# Altium PCB STB_LightBoard.PcbDoc (part 31 of 31)
Units mm, origin at the board's own origin, x right, y up, seen from the top; angles counter-clockwise.
Board outline 348 x 348 mm, 2 copper layers (Top Layer, Bottom Layer), stack 1.672 mm thick; 3807 components, 3391 nets, 11616 pads, 2553 vias.
Unrouted connection lines stored in the file: 68.
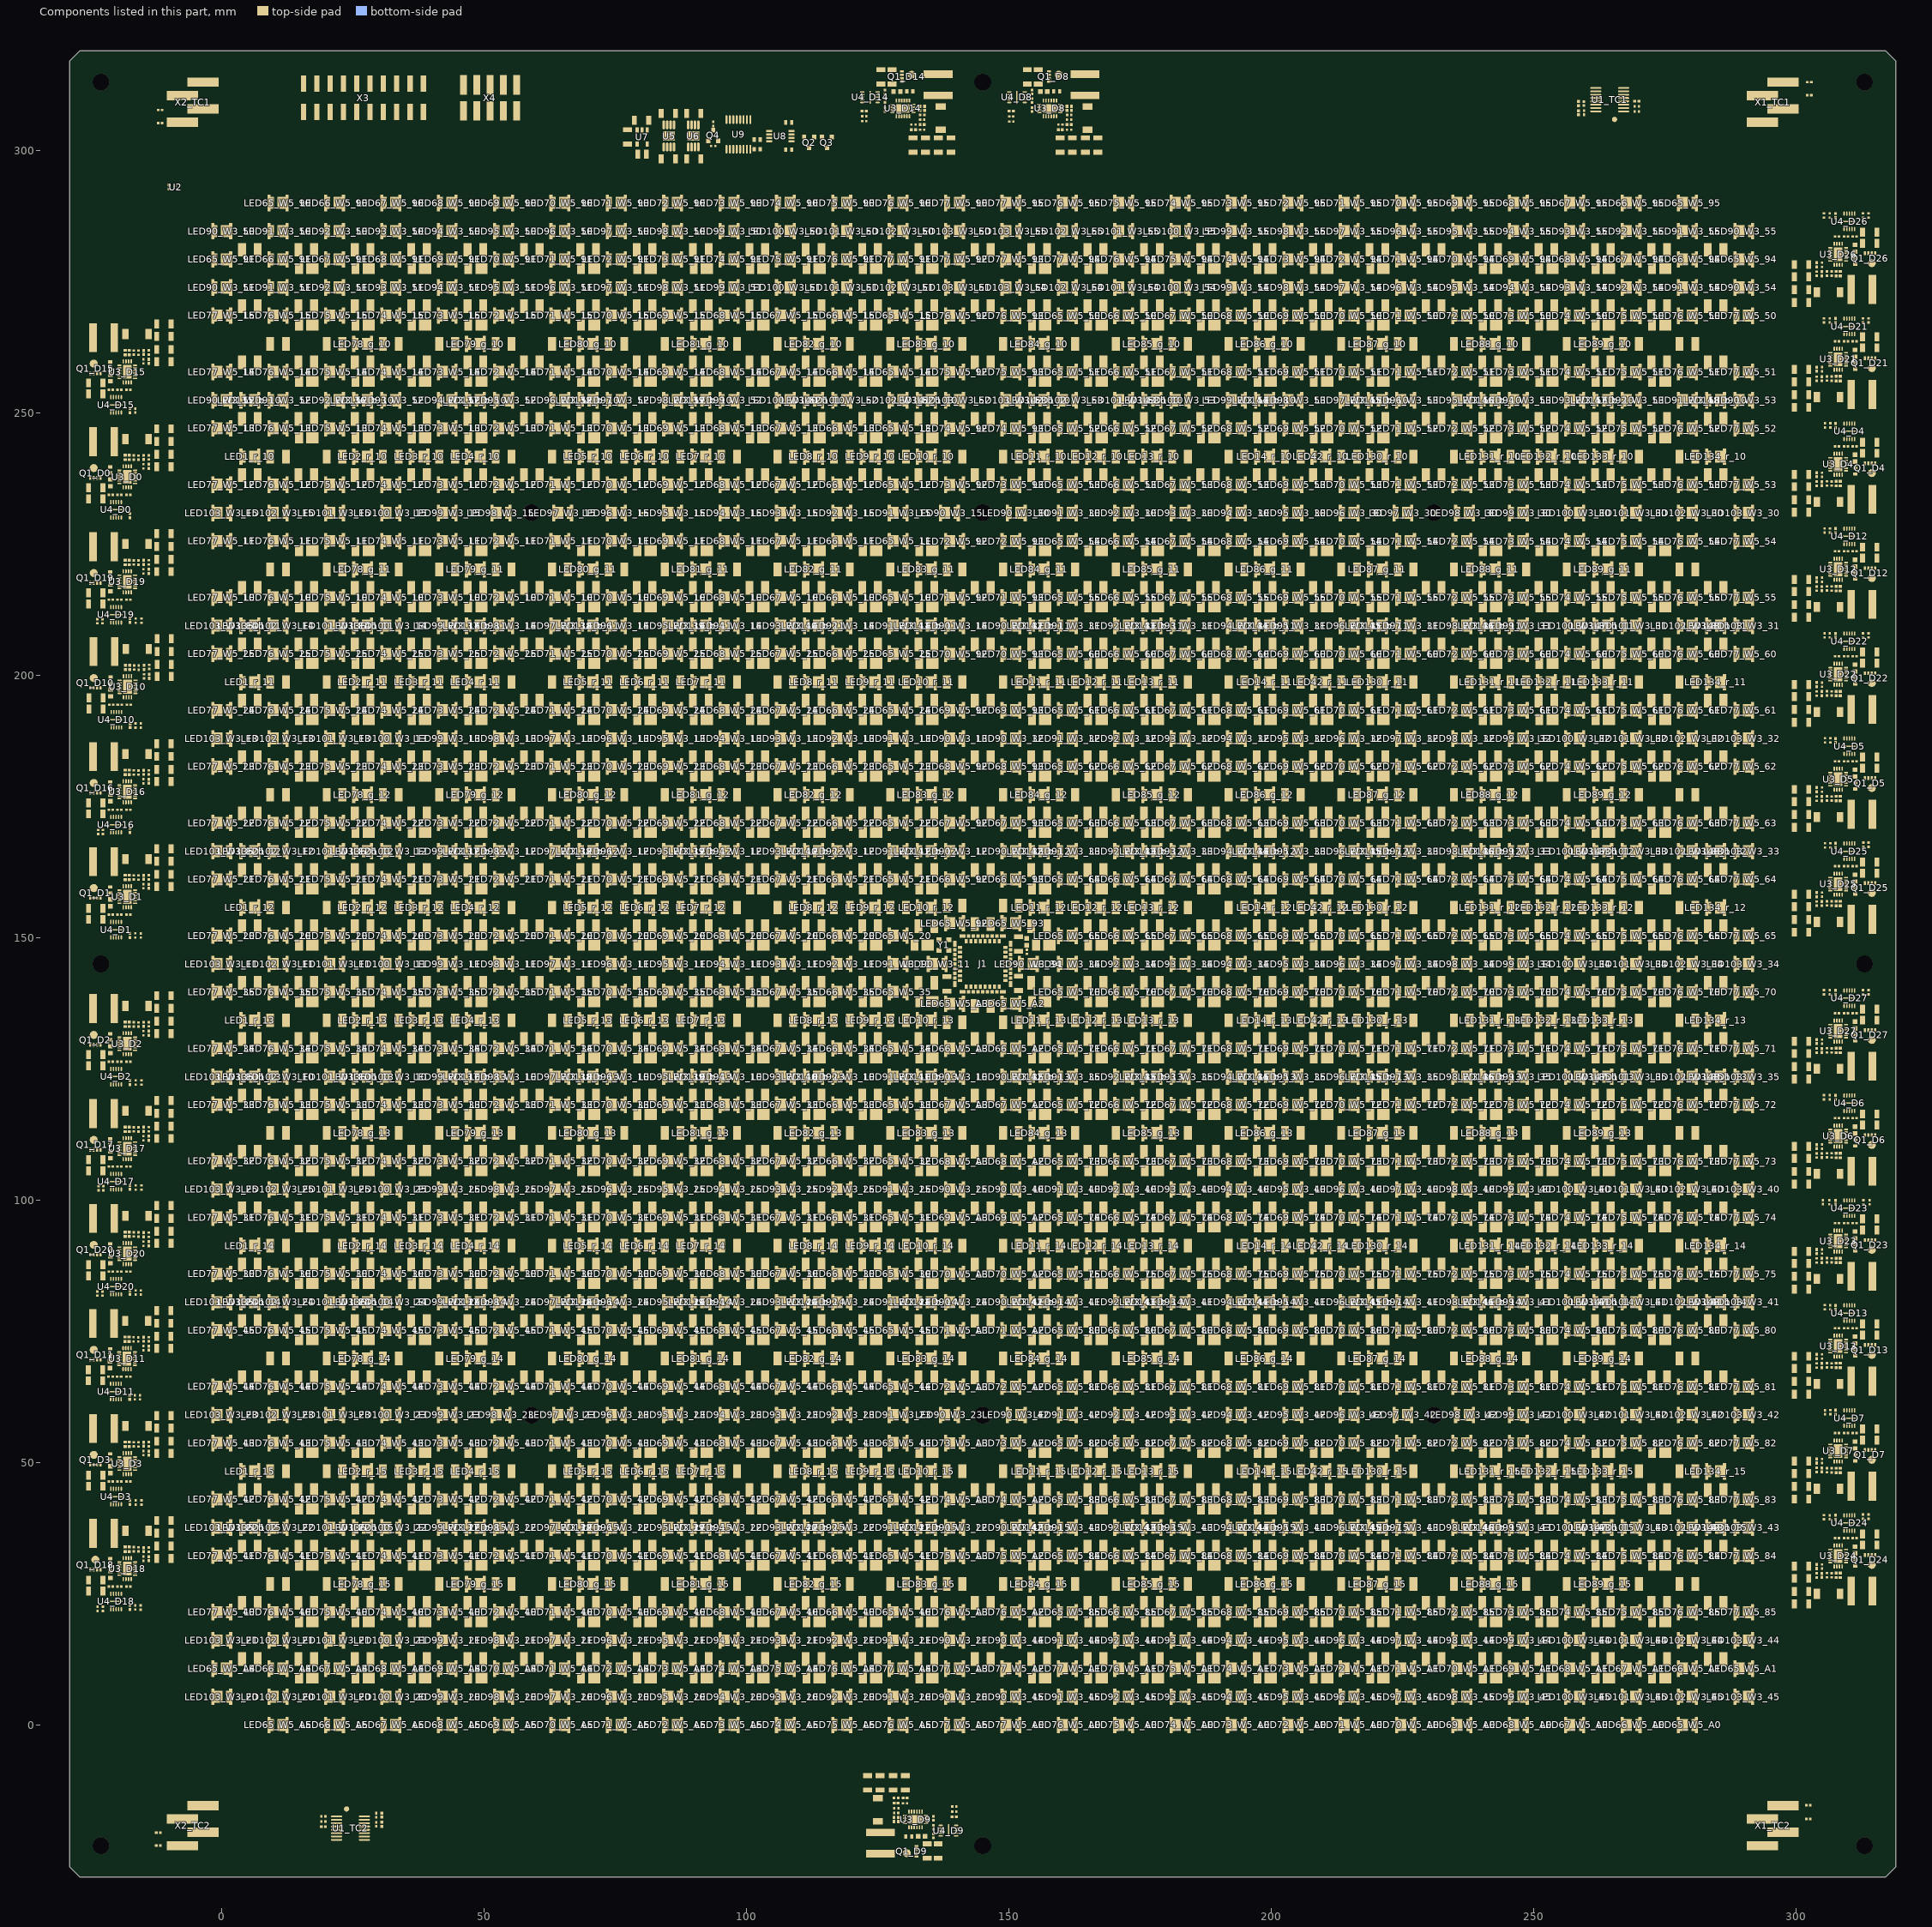
[diagram p31: the components of this part, seen from the top]

## Silkscreen, mask and mechanical layers (free items; w line width, h text height) (continued)
Mechanical 6:
  circle w0.254: c59,231 r4
  circle w0.254: c145,59 r4.009
  circle w0.254: c145,231 r4.009
  circle w0.254: c145,-23 r4
  circle w0.254: c145,313 r4
  circle w0.254: c313,313 r4
  circle w0.254: c313,-23 r4
  circle w0.254: c313,145 r4
  circle w0.254: c231,59 r4
  circle w0.254: c231,231 r4
  circle w0.254: c59,59 r4
  circle w0.254: c145,-23 r4
  circle w0.254: c-23,145 r4
  circle w0.254: c145,313 r4
  circle w0.254: c-23,313 r4
  circle w0.254: c-23,-23 r4
  rectangle: 139.27,139.27 150.73,150.73
  region: 141,-27 141,-8 121,-8 121,-27
  region: 149.7,316.2 149.7,297.2 169.7,297.2 169.7,316.2
  region: 121,317 121,298 141,298 141,317
  region: 317,289 298,289 298,269 317,269
  region: 317,269 298,269 298,249 317,249
  region: 317,249 298,249 298,229 317,229
  region: 317,229 298,229 298,209 317,209
  region: 317,209 298,209 298,189 317,189
  region: 317,189 298,189 298,169 317,169
  region: 317,169 298,169 298,149 317,149
  region: 317,41 298,41 298,21 317,21
  region: 317,61 298,61 298,41 317,41
  region: 317,81 298,81 298,61 317,61
  region: 317,101 298,101 298,81 317,81
  region: 317,121 298,121 298,101 317,101
  region: 317,141 298,141 298,121 317,121
  rectangle: -27,149 -8,169
  rectangle: -27,169 -8,189
  rectangle: -27,189 -8,209
  rectangle: -27,209 -8,229
  rectangle: -27,229 -8,249
  rectangle: -27,249 -8,269
  rectangle: -27,121 -8,141
  rectangle: -26.768,101 -7.768,121
  rectangle: -27,81 -8,101
  rectangle: -26.583,60.429 -7.583,80.429
  rectangle: -27,41 -8,61
  rectangle: -27,21 -8,41
  lines w0.2: -22.7,268.435 -22.7,272.245
  lines w0.254: 2,-21 ccw(c7,-21) 12,-21 12,-17 ccw(c7,-17) 2,-17 2,-21 ; 2,307 ccw(c7,307) 12,307 12,311 ccw(c7,311) 2,311 2,307 ; 278,-21 ccw(c283,-21) 288,-21 288,-17 ccw(c283,-17) 278,-17 278,-21 ; 278,307 ccw(c283,307) 288,307 288,311 ccw(c283,311) 278,311 278,307
  lines w0.5: -27,145 317,145 ; 0,290 0,0 290,0 290,290 ; -27,-27 317,-27 317,317 -27,317 -27,-27

## Dimensions
-29,317 to 319,-27 on Mechanical 6
317,317 to -27,317 on Mechanical 6

## Text inside footprints (layer, text, board x,y; h text height)
LED1_r_10: Mechanical 1 "K" at 7.275,243.936 h0.51 r180; Mechanical 1 "A" at 3.846,243.936 h0.51 r180
LED1_r_11: Mechanical 1 "K" at 7.275,200.976 h0.51 r180; Mechanical 1 "A" at 3.846,200.976 h0.51 r180
LED1_r_12: Mechanical 1 "K" at 7.275,158.016 h0.51 r180; Mechanical 1 "A" at 3.846,158.016 h0.51 r180
LED1_r_13: Mechanical 1 "K" at 7.275,136.536 h0.51 r180; Mechanical 1 "A" at 3.846,136.536 h0.51 r180
LED1_r_14: Mechanical 1 "K" at 7.275,93.576 h0.51 r180; Mechanical 1 "A" at 3.846,93.576 h0.51 r180
LED1_r_15: Mechanical 1 "K" at 7.275,50.616 h0.51 r180; Mechanical 1 "A" at 3.846,50.616 h0.51 r180
LED2_r_10: Mechanical 1 "K" at 28.757,243.936 h0.51 r180; Mechanical 1 "A" at 25.328,243.936 h0.51 r180
LED2_r_11: Mechanical 1 "K" at 28.757,200.976 h0.51 r180; Mechanical 1 "A" at 25.328,200.976 h0.51 r180
LED2_r_12: Mechanical 1 "K" at 28.757,158.016 h0.51 r180; Mechanical 1 "A" at 25.328,158.016 h0.51 r180
LED2_r_13: Mechanical 1 "K" at 28.757,136.536 h0.51 r180; Mechanical 1 "A" at 25.328,136.536 h0.51 r180
LED2_r_14: Mechanical 1 "K" at 28.757,93.576 h0.51 r180; Mechanical 1 "A" at 25.328,93.576 h0.51 r180
LED2_r_15: Mechanical 1 "K" at 28.757,50.616 h0.51 r180; Mechanical 1 "A" at 25.328,50.616 h0.51 r180
LED3_r_10: Mechanical 1 "K" at 39.498,243.936 h0.51 r180; Mechanical 1 "A" at 36.069,243.936 h0.51 r180
LED3_r_11: Mechanical 1 "K" at 39.498,200.976 h0.51 r180; Mechanical 1 "A" at 36.069,200.976 h0.51 r180
LED3_r_12: Mechanical 1 "K" at 39.498,158.016 h0.51 r180; Mechanical 1 "A" at 36.069,158.016 h0.51 r180
LED3_r_13: Mechanical 1 "K" at 39.498,136.536 h0.51 r180; Mechanical 1 "A" at 36.069,136.536 h0.51 r180
LED3_r_14: Mechanical 1 "K" at 39.498,93.576 h0.51 r180; Mechanical 1 "A" at 36.069,93.576 h0.51 r180
LED3_r_15: Mechanical 1 "K" at 39.498,50.616 h0.51 r180; Mechanical 1 "A" at 36.069,50.616 h0.51 r180
LED4_r_10: Mechanical 1 "K" at 50.239,243.936 h0.51 r180; Mechanical 1 "A" at 46.81,243.936 h0.51 r180
LED4_r_11: Mechanical 1 "K" at 50.239,200.976 h0.51 r180; Mechanical 1 "A" at 46.81,200.976 h0.51 r180
LED4_r_12: Mechanical 1 "K" at 50.239,158.016 h0.51 r180; Mechanical 1 "A" at 46.81,158.016 h0.51 r180
LED4_r_13: Mechanical 1 "K" at 50.239,136.536 h0.51 r180; Mechanical 1 "A" at 46.81,136.536 h0.51 r180
LED4_r_14: Mechanical 1 "K" at 50.239,93.576 h0.51 r180; Mechanical 1 "A" at 46.81,93.576 h0.51 r180
LED4_r_15: Mechanical 1 "K" at 50.239,50.616 h0.51 r180; Mechanical 1 "A" at 46.81,50.616 h0.51 r180
LED5_r_10: Mechanical 1 "K" at 71.721,243.936 h0.51 r180; Mechanical 1 "A" at 68.292,243.936 h0.51 r180
LED5_r_11: Mechanical 1 "K" at 71.721,200.976 h0.51 r180; Mechanical 1 "A" at 68.292,200.976 h0.51 r180
LED5_r_12: Mechanical 1 "K" at 71.721,158.016 h0.51 r180; Mechanical 1 "A" at 68.292,158.016 h0.51 r180
LED5_r_13: Mechanical 1 "K" at 71.721,136.536 h0.51 r180; Mechanical 1 "A" at 68.292,136.536 h0.51 r180
LED5_r_14: Mechanical 1 "K" at 71.721,93.576 h0.51 r180; Mechanical 1 "A" at 68.292,93.576 h0.51 r180
LED5_r_15: Mechanical 1 "K" at 71.721,50.616 h0.51 r180; Mechanical 1 "A" at 68.292,50.616 h0.51 r180
LED6_r_10: Mechanical 1 "K" at 82.462,243.936 h0.51 r180; Mechanical 1 "A" at 79.033,243.936 h0.51 r180
LED6_r_11: Mechanical 1 "K" at 82.462,200.976 h0.51 r180; Mechanical 1 "A" at 79.033,200.976 h0.51 r180
LED6_r_12: Mechanical 1 "K" at 82.462,158.016 h0.51 r180; Mechanical 1 "A" at 79.033,158.016 h0.51 r180
LED6_r_13: Mechanical 1 "K" at 82.462,136.536 h0.51 r180; Mechanical 1 "A" at 79.033,136.536 h0.51 r180
LED6_r_14: Mechanical 1 "K" at 82.462,93.576 h0.51 r180; Mechanical 1 "A" at 79.033,93.576 h0.51 r180
LED6_r_15: Mechanical 1 "K" at 82.462,50.616 h0.51 r180; Mechanical 1 "A" at 79.033,50.616 h0.51 r180
LED7_r_10: Mechanical 1 "K" at 93.203,243.936 h0.51 r180; Mechanical 1 "A" at 89.774,243.936 h0.51 r180
LED7_r_11: Mechanical 1 "K" at 93.203,200.976 h0.51 r180; Mechanical 1 "A" at 89.774,200.976 h0.51 r180
LED7_r_12: Mechanical 1 "K" at 93.203,158.016 h0.51 r180; Mechanical 1 "A" at 89.774,158.016 h0.51 r180
LED7_r_13: Mechanical 1 "K" at 93.203,136.536 h0.51 r180; Mechanical 1 "A" at 89.774,136.536 h0.51 r180
LED7_r_14: Mechanical 1 "K" at 93.203,93.576 h0.51 r180; Mechanical 1 "A" at 89.774,93.576 h0.51 r180
LED7_r_15: Mechanical 1 "K" at 93.203,50.616 h0.51 r180; Mechanical 1 "A" at 89.774,50.616 h0.51 r180
LED8_r_10: Mechanical 1 "K" at 114.685,243.936 h0.51 r180; Mechanical 1 "A" at 111.256,243.936 h0.51 r180
LED8_r_11: Mechanical 1 "K" at 114.685,200.976 h0.51 r180; Mechanical 1 "A" at 111.256,200.976 h0.51 r180
LED8_r_12: Mechanical 1 "K" at 114.685,158.016 h0.51 r180; Mechanical 1 "A" at 111.256,158.016 h0.51 r180
LED8_r_13: Mechanical 1 "K" at 114.685,136.536 h0.51 r180; Mechanical 1 "A" at 111.256,136.536 h0.51 r180
LED8_r_14: Mechanical 1 "K" at 114.685,93.576 h0.51 r180; Mechanical 1 "A" at 111.256,93.576 h0.51 r180
LED8_r_15: Mechanical 1 "K" at 114.685,50.616 h0.51 r180; Mechanical 1 "A" at 111.256,50.616 h0.51 r180
LED9_r_10: Mechanical 1 "K" at 125.426,243.936 h0.51 r180; Mechanical 1 "A" at 121.997,243.936 h0.51 r180
LED9_r_11: Mechanical 1 "K" at 125.426,200.976 h0.51 r180; Mechanical 1 "A" at 121.997,200.976 h0.51 r180
LED9_r_12: Mechanical 1 "K" at 125.426,158.016 h0.51 r180; Mechanical 1 "A" at 121.997,158.016 h0.51 r180
LED9_r_13: Mechanical 1 "K" at 125.426,136.536 h0.51 r180; Mechanical 1 "A" at 121.997,136.536 h0.51 r180
LED9_r_14: Mechanical 1 "K" at 125.426,93.576 h0.51 r180; Mechanical 1 "A" at 121.997,93.576 h0.51 r180
LED9_r_15: Mechanical 1 "K" at 125.426,50.616 h0.51 r180; Mechanical 1 "A" at 121.997,50.616 h0.51 r180
LED10_r_10: Mechanical 1 "K" at 136.167,243.936 h0.51 r180; Mechanical 1 "A" at 132.738,243.936 h0.51 r180
LED10_r_11: Mechanical 1 "K" at 136.167,200.976 h0.51 r180; Mechanical 1 "A" at 132.738,200.976 h0.51 r180
LED10_r_12: Mechanical 1 "K" at 136.167,158.016 h0.51 r180; Mechanical 1 "A" at 132.738,158.016 h0.51 r180
LED10_r_13: Mechanical 1 "K" at 136.167,136.536 h0.51 r180; Mechanical 1 "A" at 132.738,136.536 h0.51 r180
LED10_r_14: Mechanical 1 "K" at 136.167,93.576 h0.51 r180; Mechanical 1 "A" at 132.738,93.576 h0.51 r180
LED10_r_15: Mechanical 1 "K" at 136.167,50.616 h0.51 r180; Mechanical 1 "A" at 132.738,50.616 h0.51 r180
LED11_r_10: Mechanical 1 "K" at 157.649,243.936 h0.51 r180; Mechanical 1 "A" at 154.22,243.936 h0.51 r180
LED11_r_11: Mechanical 1 "K" at 157.649,200.976 h0.51 r180; Mechanical 1 "A" at 154.22,200.976 h0.51 r180
LED11_r_12: Mechanical 1 "K" at 157.649,158.016 h0.51 r180; Mechanical 1 "A" at 154.22,158.016 h0.51 r180
LED11_r_13: Mechanical 1 "K" at 157.649,136.536 h0.51 r180; Mechanical 1 "A" at 154.22,136.536 h0.51 r180
LED11_r_14: Mechanical 1 "K" at 157.649,93.576 h0.51 r180; Mechanical 1 "A" at 154.22,93.576 h0.51 r180
LED11_r_15: Mechanical 1 "K" at 157.649,50.616 h0.51 r180; Mechanical 1 "A" at 154.22,50.616 h0.51 r180
LED12_r_10: Mechanical 1 "K" at 168.39,243.936 h0.51 r180; Mechanical 1 "A" at 164.961,243.936 h0.51 r180
LED12_r_11: Mechanical 1 "K" at 168.39,200.976 h0.51 r180; Mechanical 1 "A" at 164.961,200.976 h0.51 r180
LED12_r_12: Mechanical 1 "K" at 168.39,158.016 h0.51 r180; Mechanical 1 "A" at 164.961,158.016 h0.51 r180
LED12_r_13: Mechanical 1 "K" at 168.39,136.536 h0.51 r180; Mechanical 1 "A" at 164.961,136.536 h0.51 r180
LED12_r_14: Mechanical 1 "K" at 168.39,93.576 h0.51 r180; Mechanical 1 "A" at 164.961,93.576 h0.51 r180
LED12_r_15: Mechanical 1 "K" at 168.39,50.616 h0.51 r180; Mechanical 1 "A" at 164.961,50.616 h0.51 r180
LED13_r_10: Mechanical 1 "K" at 179.131,243.936 h0.51 r180; Mechanical 1 "A" at 175.702,243.936 h0.51 r180
LED13_r_11: Mechanical 1 "K" at 179.131,200.976 h0.51 r180; Mechanical 1 "A" at 175.702,200.976 h0.51 r180
LED13_r_12: Mechanical 1 "K" at 179.131,158.016 h0.51 r180; Mechanical 1 "A" at 175.702,158.016 h0.51 r180
LED13_r_13: Mechanical 1 "K" at 179.131,136.536 h0.51 r180; Mechanical 1 "A" at 175.702,136.536 h0.51 r180
LED13_r_14: Mechanical 1 "K" at 179.131,93.576 h0.51 r180; Mechanical 1 "A" at 175.702,93.576 h0.51 r180
LED13_r_15: Mechanical 1 "K" at 179.131,50.616 h0.51 r180; Mechanical 1 "A" at 175.702,50.616 h0.51 r180
LED14_r_10: Mechanical 1 "K" at 200.613,243.936 h0.51 r180; Mechanical 1 "A" at 197.184,243.936 h0.51 r180
LED14_r_11: Mechanical 1 "K" at 200.613,200.976 h0.51 r180; Mechanical 1 "A" at 197.184,200.976 h0.51 r180
LED14_r_12: Mechanical 1 "K" at 200.613,158.016 h0.51 r180; Mechanical 1 "A" at 197.184,158.016 h0.51 r180
LED14_r_13: Mechanical 1 "K" at 200.613,136.536 h0.51 r180; Mechanical 1 "A" at 197.184,136.536 h0.51 r180
LED14_r_14: Mechanical 1 "K" at 200.613,93.576 h0.51 r180; Mechanical 1 "A" at 197.184,93.576 h0.51 r180
LED14_r_15: Mechanical 1 "K" at 200.613,50.616 h0.51 r180; Mechanical 1 "A" at 197.184,50.616 h0.51 r180
LED42_r_10: Mechanical 1 "K" at 211.354,243.936 h0.51 r180; Mechanical 1 "A" at 207.925,243.936 h0.51 r180
LED42_r_11: Mechanical 1 "K" at 211.354,200.976 h0.51 r180; Mechanical 1 "A" at 207.925,200.976 h0.51 r180
LED42_r_12: Mechanical 1 "K" at 211.354,158.016 h0.51 r180; Mechanical 1 "A" at 207.925,158.016 h0.51 r180
LED42_r_13: Mechanical 1 "K" at 211.354,136.536 h0.51 r180; Mechanical 1 "A" at 207.925,136.536 h0.51 r180
LED42_r_14: Mechanical 1 "K" at 211.354,93.576 h0.51 r180; Mechanical 1 "A" at 207.925,93.576 h0.51 r180
LED42_r_15: Mechanical 1 "K" at 211.354,50.616 h0.51 r180; Mechanical 1 "A" at 207.925,50.616 h0.51 r180
LED65_W5_10: Mechanical 1 "A" at 130.416,212.539 h0.51; Mechanical 1 "K" at 126.987,212.539 h0.51
LED65_W5_11: Mechanical 1 "A" at 130.416,223.279 h0.51; Mechanical 1 "K" at 126.987,223.279 h0.51
LED65_W5_12: Mechanical 1 "A" at 130.416,234.019 h0.51; Mechanical 1 "K" at 126.987,234.019 h0.51
LED65_W5_13: Mechanical 1 "A" at 130.416,244.759 h0.51; Mechanical 1 "K" at 126.987,244.759 h0.51
LED65_W5_14: Mechanical 1 "A" at 130.416,255.499 h0.51; Mechanical 1 "K" at 126.987,255.499 h0.51
LED65_W5_15: Mechanical 1 "A" at 130.416,266.239 h0.51; Mechanical 1 "K" at 126.987,266.239 h0.51
LED65_W5_20: Mechanical 1 "A" at 130.416,148.099 h0.51; Mechanical 1 "K" at 126.987,148.099 h0.51
LED65_W5_21: Mechanical 1 "A" at 130.416,158.839 h0.51; Mechanical 1 "K" at 126.987,158.839 h0.51
LED65_W5_22: Mechanical 1 "A" at 130.416,169.579 h0.51; Mechanical 1 "K" at 126.987,169.579 h0.51
LED65_W5_23: Mechanical 1 "A" at 130.416,180.319 h0.51; Mechanical 1 "K" at 126.987,180.319 h0.51
LED65_W5_24: Mechanical 1 "A" at 130.416,191.059 h0.51; Mechanical 1 "K" at 126.987,191.059 h0.51
LED65_W5_25: Mechanical 1 "A" at 130.416,201.799 h0.51; Mechanical 1 "K" at 126.987,201.799 h0.51
LED65_W5_30: Mechanical 1 "A" at 130.416,83.659 h0.51; Mechanical 1 "K" at 126.987,83.659 h0.51
LED65_W5_31: Mechanical 1 "A" at 130.416,94.399 h0.51; Mechanical 1 "K" at 126.987,94.399 h0.51
LED65_W5_32: Mechanical 1 "A" at 130.416,105.139 h0.51; Mechanical 1 "K" at 126.987,105.139 h0.51
LED65_W5_33: Mechanical 1 "A" at 130.416,115.879 h0.51; Mechanical 1 "K" at 126.987,115.879 h0.51
LED65_W5_34: Mechanical 1 "A" at 130.416,126.619 h0.51; Mechanical 1 "K" at 126.987,126.619 h0.51
LED65_W5_35: Mechanical 1 "A" at 130.416,137.359 h0.51; Mechanical 1 "K" at 126.987,137.359 h0.51
LED65_W5_40: Mechanical 1 "A" at 130.416,19.219 h0.51; Mechanical 1 "K" at 126.987,19.219 h0.51
LED65_W5_41: Mechanical 1 "A" at 130.416,29.959 h0.51; Mechanical 1 "K" at 126.987,29.959 h0.51
LED65_W5_42: Mechanical 1 "A" at 130.416,40.699 h0.51; Mechanical 1 "K" at 126.987,40.699 h0.51
LED65_W5_43: Mechanical 1 "A" at 130.416,51.439 h0.51; Mechanical 1 "K" at 126.987,51.439 h0.51
LED65_W5_44: Mechanical 1 "A" at 130.416,62.179 h0.51; Mechanical 1 "K" at 126.987,62.179 h0.51
LED65_W5_45: Mechanical 1 "A" at 130.416,72.919 h0.51; Mechanical 1 "K" at 126.987,72.919 h0.51
LED65_W5_50: Mechanical 1 "A" at 159.591,270.786 h0.51 r180; Mechanical 1 "K" at 163.02,270.786 h0.51 r180
LED65_W5_51: Mechanical 1 "A" at 159.591,260.046 h0.51 r180; Mechanical 1 "K" at 163.02,260.046 h0.51 r180
LED65_W5_52: Mechanical 1 "A" at 159.591,249.306 h0.51 r180; Mechanical 1 "K" at 163.02,249.306 h0.51 r180
LED65_W5_53: Mechanical 1 "A" at 159.591,238.566 h0.51 r180; Mechanical 1 "K" at 163.02,238.566 h0.51 r180
LED65_W5_54: Mechanical 1 "A" at 159.591,227.826 h0.51 r180; Mechanical 1 "K" at 163.02,227.826 h0.51 r180
LED65_W5_55: Mechanical 1 "A" at 159.591,217.086 h0.51 r180; Mechanical 1 "K" at 163.02,217.086 h0.51 r180
LED65_W5_60: Mechanical 1 "A" at 159.591,206.346 h0.51 r180; Mechanical 1 "K" at 163.02,206.346 h0.51 r180
LED65_W5_61: Mechanical 1 "A" at 159.591,195.606 h0.51 r180; Mechanical 1 "K" at 163.02,195.606 h0.51 r180
LED65_W5_62: Mechanical 1 "A" at 159.591,184.866 h0.51 r180; Mechanical 1 "K" at 163.02,184.866 h0.51 r180
LED65_W5_63: Mechanical 1 "A" at 159.591,174.126 h0.51 r180; Mechanical 1 "K" at 163.02,174.126 h0.51 r180
LED65_W5_64: Mechanical 1 "A" at 159.591,163.386 h0.51 r180; Mechanical 1 "K" at 163.02,163.386 h0.51 r180
LED65_W5_65: Mechanical 1 "A" at 159.591,152.646 h0.51 r180; Mechanical 1 "K" at 163.02,152.646 h0.51 r180
LED65_W5_70: Mechanical 1 "A" at 159.591,141.906 h0.51 r180; Mechanical 1 "K" at 163.02,141.906 h0.51 r180
LED65_W5_71: Mechanical 1 "A" at 159.591,131.166 h0.51 r180; Mechanical 1 "K" at 163.02,131.166 h0.51 r180
LED65_W5_72: Mechanical 1 "A" at 159.591,120.426 h0.51 r180; Mechanical 1 "K" at 163.02,120.426 h0.51 r180
LED65_W5_73: Mechanical 1 "A" at 159.591,109.686 h0.51 r180; Mechanical 1 "K" at 163.02,109.686 h0.51 r180
LED65_W5_74: Mechanical 1 "A" at 159.591,98.946 h0.51 r180; Mechanical 1 "K" at 163.02,98.946 h0.51 r180
LED65_W5_75: Mechanical 1 "A" at 159.591,88.206 h0.51 r180; Mechanical 1 "K" at 163.02,88.206 h0.51 r180
LED65_W5_80: Mechanical 1 "A" at 159.591,77.466 h0.51 r180; Mechanical 1 "K" at 163.02,77.466 h0.51 r180
LED65_W5_81: Mechanical 1 "A" at 159.591,66.726 h0.51 r180; Mechanical 1 "K" at 163.02,66.726 h0.51 r180
LED65_W5_82: Mechanical 1 "A" at 159.591,55.986 h0.51 r180; Mechanical 1 "K" at 163.02,55.986 h0.51 r180
LED65_W5_83: Mechanical 1 "A" at 159.591,45.246 h0.51 r180; Mechanical 1 "K" at 163.02,45.246 h0.51 r180
LED65_W5_84: Mechanical 1 "A" at 159.591,34.506 h0.51 r180; Mechanical 1 "K" at 163.02,34.506 h0.51 r180
LED65_W5_85: Mechanical 1 "A" at 159.591,23.766 h0.51 r180; Mechanical 1 "K" at 163.02,23.766 h0.51 r180
LED65_W5_90: Mechanical 1 "A" at 9.217,292.266 h0.51 r180; Mechanical 1 "K" at 12.646,292.266 h0.51 r180
LED65_W5_91: Mechanical 1 "A" at -1.524,281.526 h0.51 r180; Mechanical 1 "K" at 1.905,281.526 h0.51 r180
LED65_W5_92: Mechanical 1 "A" at 141.157,150.474 h0.51; Mechanical 1 "K" at 137.728,150.474 h0.51
LED65_W5_93: Mechanical 1 "A" at 148.85,155.046 h0.51 r180; Mechanical 1 "K" at 152.279,155.046 h0.51 r180
LED65_W5_94: Mechanical 1 "A" at 291.531,276.954 h0.51; Mechanical 1 "K" at 288.102,276.954 h0.51
LED65_W5_95: Mechanical 1 "A" at 280.79,287.694 h0.51; Mechanical 1 "K" at 277.361,287.694 h0.51
LED65_W5_A0: Mechanical 1 "A" at 280.79,-2.286 h0.51; Mechanical 1 "K" at 277.361,-2.286 h0.51
LED65_W5_A1: Mechanical 1 "A" at 291.531,8.454 h0.51; Mechanical 1 "K" at 288.102,8.454 h0.51
LED65_W5_A2: Mechanical 1 "A" at 148.85,139.706 h0.51 r180; Mechanical 1 "K" at 152.279,139.706 h0.51 r180
LED65_W5_A3: Mechanical 1 "A" at 141.157,135.134 h0.51; Mechanical 1 "K" at 137.728,135.134 h0.51
LED65_W5_A4: Mechanical 1 "A" at -1.524,13.026 h0.51 r180; Mechanical 1 "K" at 1.905,13.026 h0.51 r180
LED65_W5_A5: Mechanical 1 "A" at 9.217,2.286 h0.51 r180; Mechanical 1 "K" at 12.646,2.286 h0.51 r180
LED66_W5_10: Mechanical 1 "A" at 119.675,212.539 h0.51; Mechanical 1 "K" at 116.246,212.539 h0.51
LED66_W5_11: Mechanical 1 "A" at 119.675,223.279 h0.51; Mechanical 1 "K" at 116.246,223.279 h0.51
LED66_W5_12: Mechanical 1 "A" at 119.675,234.019 h0.51; Mechanical 1 "K" at 116.246,234.019 h0.51
LED66_W5_13: Mechanical 1 "A" at 119.675,244.759 h0.51; Mechanical 1 "K" at 116.246,244.759 h0.51
LED66_W5_14: Mechanical 1 "A" at 119.675,255.499 h0.51; Mechanical 1 "K" at 116.246,255.499 h0.51
LED66_W5_15: Mechanical 1 "A" at 119.675,266.239 h0.51; Mechanical 1 "K" at 116.246,266.239 h0.51
LED66_W5_20: Mechanical 1 "A" at 119.675,148.099 h0.51; Mechanical 1 "K" at 116.246,148.099 h0.51
LED66_W5_21: Mechanical 1 "A" at 119.675,158.839 h0.51; Mechanical 1 "K" at 116.246,158.839 h0.51
LED66_W5_22: Mechanical 1 "A" at 119.675,169.579 h0.51; Mechanical 1 "K" at 116.246,169.579 h0.51
LED66_W5_23: Mechanical 1 "A" at 119.675,180.319 h0.51; Mechanical 1 "K" at 116.246,180.319 h0.51
LED66_W5_24: Mechanical 1 "A" at 119.675,191.059 h0.51; Mechanical 1 "K" at 116.246,191.059 h0.51
LED66_W5_25: Mechanical 1 "A" at 119.675,201.799 h0.51; Mechanical 1 "K" at 116.246,201.799 h0.51
LED66_W5_30: Mechanical 1 "A" at 119.675,83.659 h0.51; Mechanical 1 "K" at 116.246,83.659 h0.51
LED66_W5_31: Mechanical 1 "A" at 119.675,94.399 h0.51; Mechanical 1 "K" at 116.246,94.399 h0.51
LED66_W5_32: Mechanical 1 "A" at 119.675,105.139 h0.51; Mechanical 1 "K" at 116.246,105.139 h0.51
LED66_W5_33: Mechanical 1 "A" at 119.675,115.879 h0.51; Mechanical 1 "K" at 116.246,115.879 h0.51
LED66_W5_34: Mechanical 1 "A" at 119.675,126.619 h0.51; Mechanical 1 "K" at 116.246,126.619 h0.51
LED66_W5_35: Mechanical 1 "A" at 119.675,137.359 h0.51; Mechanical 1 "K" at 116.246,137.359 h0.51
LED66_W5_40: Mechanical 1 "A" at 119.675,19.219 h0.51; Mechanical 1 "K" at 116.246,19.219 h0.51
LED66_W5_41: Mechanical 1 "A" at 119.675,29.959 h0.51; Mechanical 1 "K" at 116.246,29.959 h0.51
LED66_W5_42: Mechanical 1 "A" at 119.675,40.699 h0.51; Mechanical 1 "K" at 116.246,40.699 h0.51
LED66_W5_43: Mechanical 1 "A" at 119.675,51.439 h0.51; Mechanical 1 "K" at 116.246,51.439 h0.51
LED66_W5_44: Mechanical 1 "A" at 119.675,62.179 h0.51; Mechanical 1 "K" at 116.246,62.179 h0.51
LED66_W5_45: Mechanical 1 "A" at 119.675,72.919 h0.51; Mechanical 1 "K" at 116.246,72.919 h0.51
LED66_W5_50: Mechanical 1 "A" at 170.332,270.786 h0.51 r180; Mechanical 1 "K" at 173.761,270.786 h0.51 r180
LED66_W5_51: Mechanical 1 "A" at 170.332,260.046 h0.51 r180; Mechanical 1 "K" at 173.761,260.046 h0.51 r180
LED66_W5_52: Mechanical 1 "A" at 170.332,249.306 h0.51 r180; Mechanical 1 "K" at 173.761,249.306 h0.51 r180
LED66_W5_53: Mechanical 1 "A" at 170.332,238.566 h0.51 r180; Mechanical 1 "K" at 173.761,238.566 h0.51 r180
LED66_W5_54: Mechanical 1 "A" at 170.332,227.826 h0.51 r180; Mechanical 1 "K" at 173.761,227.826 h0.51 r180
LED66_W5_55: Mechanical 1 "A" at 170.332,217.086 h0.51 r180; Mechanical 1 "K" at 173.761,217.086 h0.51 r180
LED66_W5_60: Mechanical 1 "A" at 170.332,206.346 h0.51 r180; Mechanical 1 "K" at 173.761,206.346 h0.51 r180
LED66_W5_61: Mechanical 1 "A" at 170.332,195.606 h0.51 r180; Mechanical 1 "K" at 173.761,195.606 h0.51 r180
LED66_W5_62: Mechanical 1 "A" at 170.332,184.866 h0.51 r180; Mechanical 1 "K" at 173.761,184.866 h0.51 r180
LED66_W5_63: Mechanical 1 "A" at 170.332,174.126 h0.51 r180; Mechanical 1 "K" at 173.761,174.126 h0.51 r180
LED66_W5_64: Mechanical 1 "A" at 170.332,163.386 h0.51 r180; Mechanical 1 "K" at 173.761,163.386 h0.51 r180
LED66_W5_65: Mechanical 1 "A" at 170.332,152.646 h0.51 r180; Mechanical 1 "K" at 173.761,152.646 h0.51 r180
LED66_W5_70: Mechanical 1 "A" at 170.332,141.906 h0.51 r180; Mechanical 1 "K" at 173.761,141.906 h0.51 r180
LED66_W5_71: Mechanical 1 "A" at 170.332,131.166 h0.51 r180; Mechanical 1 "K" at 173.761,131.166 h0.51 r180
LED66_W5_72: Mechanical 1 "A" at 170.332,120.426 h0.51 r180; Mechanical 1 "K" at 173.761,120.426 h0.51 r180
LED66_W5_73: Mechanical 1 "A" at 170.332,109.686 h0.51 r180; Mechanical 1 "K" at 173.761,109.686 h0.51 r180
LED66_W5_74: Mechanical 1 "A" at 170.332,98.946 h0.51 r180; Mechanical 1 "K" at 173.761,98.946 h0.51 r180
LED66_W5_75: Mechanical 1 "A" at 170.332,88.206 h0.51 r180; Mechanical 1 "K" at 173.761,88.206 h0.51 r180
LED66_W5_80: Mechanical 1 "A" at 170.332,77.466 h0.51 r180; Mechanical 1 "K" at 173.761,77.466 h0.51 r180
LED66_W5_81: Mechanical 1 "A" at 170.332,66.726 h0.51 r180; Mechanical 1 "K" at 173.761,66.726 h0.51 r180
LED66_W5_82: Mechanical 1 "A" at 170.332,55.986 h0.51 r180; Mechanical 1 "K" at 173.761,55.986 h0.51 r180
LED66_W5_83: Mechanical 1 "A" at 170.332,45.246 h0.51 r180; Mechanical 1 "K" at 173.761,45.246 h0.51 r180
LED66_W5_84: Mechanical 1 "A" at 170.332,34.506 h0.51 r180; Mechanical 1 "K" at 173.761,34.506 h0.51 r180
LED66_W5_85: Mechanical 1 "A" at 170.332,23.766 h0.51 r180; Mechanical 1 "K" at 173.761,23.766 h0.51 r180
LED66_W5_90: Mechanical 1 "A" at 19.958,292.266 h0.51 r180; Mechanical 1 "K" at 23.387,292.266 h0.51 r180
LED66_W5_91: Mechanical 1 "A" at 9.217,281.526 h0.51 r180; Mechanical 1 "K" at 12.646,281.526 h0.51 r180
LED66_W5_92: Mechanical 1 "A" at 141.157,158.814 h0.51; Mechanical 1 "K" at 137.728,158.814 h0.51
LED66_W5_93: Mechanical 1 "A" at 148.85,163.386 h0.51 r180; Mechanical 1 "K" at 152.279,163.386 h0.51 r180
LED66_W5_94: Mechanical 1 "A" at 280.79,276.954 h0.51; Mechanical 1 "K" at 277.361,276.954 h0.51
LED66_W5_95: Mechanical 1 "A" at 270.049,287.694 h0.51; Mechanical 1 "K" at 266.62,287.694 h0.51
LED66_W5_A0: Mechanical 1 "A" at 270.049,-2.286 h0.51; Mechanical 1 "K" at 266.62,-2.286 h0.51
LED66_W5_A1: Mechanical 1 "A" at 280.79,8.454 h0.51; Mechanical 1 "K" at 277.361,8.454 h0.51
LED66_W5_A2: Mechanical 1 "A" at 148.85,131.166 h0.51 r180; Mechanical 1 "K" at 152.279,131.166 h0.51 r180
LED66_W5_A3: Mechanical 1 "A" at 141.157,126.594 h0.51; Mechanical 1 "K" at 137.728,126.594 h0.51
LED66_W5_A4: Mechanical 1 "A" at 9.217,13.026 h0.51 r180; Mechanical 1 "K" at 12.646,13.026 h0.51 r180
LED66_W5_A5: Mechanical 1 "A" at 19.958,2.286 h0.51 r180; Mechanical 1 "K" at 23.387,2.286 h0.51 r180
LED67_W5_10: Mechanical 1 "A" at 108.934,212.539 h0.51; Mechanical 1 "K" at 105.505,212.539 h0.51
LED67_W5_11: Mechanical 1 "A" at 108.934,223.279 h0.51; Mechanical 1 "K" at 105.505,223.279 h0.51
LED67_W5_12: Mechanical 1 "A" at 108.934,234.019 h0.51; Mechanical 1 "K" at 105.505,234.019 h0.51
LED67_W5_13: Mechanical 1 "A" at 108.934,244.759 h0.51; Mechanical 1 "K" at 105.505,244.759 h0.51
LED67_W5_14: Mechanical 1 "A" at 108.934,255.499 h0.51; Mechanical 1 "K" at 105.505,255.499 h0.51
LED67_W5_15: Mechanical 1 "A" at 108.934,266.239 h0.51; Mechanical 1 "K" at 105.505,266.239 h0.51
LED67_W5_20: Mechanical 1 "A" at 108.934,148.099 h0.51; Mechanical 1 "K" at 105.505,148.099 h0.51
LED67_W5_21: Mechanical 1 "A" at 108.934,158.839 h0.51; Mechanical 1 "K" at 105.505,158.839 h0.51
LED67_W5_22: Mechanical 1 "A" at 108.934,169.579 h0.51; Mechanical 1 "K" at 105.505,169.579 h0.51
LED67_W5_23: Mechanical 1 "A" at 108.934,180.319 h0.51; Mechanical 1 "K" at 105.505,180.319 h0.51
LED67_W5_24: Mechanical 1 "A" at 108.934,191.059 h0.51; Mechanical 1 "K" at 105.505,191.059 h0.51
LED67_W5_25: Mechanical 1 "A" at 108.934,201.799 h0.51; Mechanical 1 "K" at 105.505,201.799 h0.51
LED67_W5_30: Mechanical 1 "A" at 108.934,83.659 h0.51; Mechanical 1 "K" at 105.505,83.659 h0.51
LED67_W5_31: Mechanical 1 "A" at 108.934,94.399 h0.51; Mechanical 1 "K" at 105.505,94.399 h0.51
LED67_W5_32: Mechanical 1 "A" at 108.934,105.139 h0.51; Mechanical 1 "K" at 105.505,105.139 h0.51
LED67_W5_33: Mechanical 1 "A" at 108.934,115.879 h0.51; Mechanical 1 "K" at 105.505,115.879 h0.51
LED67_W5_34: Mechanical 1 "A" at 108.934,126.619 h0.51; Mechanical 1 "K" at 105.505,126.619 h0.51
LED67_W5_35: Mechanical 1 "A" at 108.934,137.359 h0.51; Mechanical 1 "K" at 105.505,137.359 h0.51
LED67_W5_40: Mechanical 1 "A" at 108.934,19.219 h0.51; Mechanical 1 "K" at 105.505,19.219 h0.51
LED67_W5_41: Mechanical 1 "A" at 108.934,29.959 h0.51; Mechanical 1 "K" at 105.505,29.959 h0.51
LED67_W5_42: Mechanical 1 "A" at 108.934,40.699 h0.51; Mechanical 1 "K" at 105.505,40.699 h0.51
LED67_W5_43: Mechanical 1 "A" at 108.934,51.439 h0.51; Mechanical 1 "K" at 105.505,51.439 h0.51
LED67_W5_44: Mechanical 1 "A" at 108.934,62.179 h0.51; Mechanical 1 "K" at 105.505,62.179 h0.51
LED67_W5_45: Mechanical 1 "A" at 108.934,72.919 h0.51; Mechanical 1 "K" at 105.505,72.919 h0.51
LED67_W5_50: Mechanical 1 "A" at 181.073,270.786 h0.51 r180; Mechanical 1 "K" at 184.502,270.786 h0.51 r180
LED67_W5_51: Mechanical 1 "A" at 181.073,260.046 h0.51 r180; Mechanical 1 "K" at 184.502,260.046 h0.51 r180
LED67_W5_52: Mechanical 1 "A" at 181.073,249.306 h0.51 r180; Mechanical 1 "K" at 184.502,249.306 h0.51 r180
LED67_W5_53: Mechanical 1 "A" at 181.073,238.566 h0.51 r180; Mechanical 1 "K" at 184.502,238.566 h0.51 r180
LED67_W5_54: Mechanical 1 "A" at 181.073,227.826 h0.51 r180; Mechanical 1 "K" at 184.502,227.826 h0.51 r180
LED67_W5_55: Mechanical 1 "A" at 181.073,217.086 h0.51 r180; Mechanical 1 "K" at 184.502,217.086 h0.51 r180
LED67_W5_60: Mechanical 1 "A" at 181.073,206.346 h0.51 r180; Mechanical 1 "K" at 184.502,206.346 h0.51 r180
LED67_W5_61: Mechanical 1 "A" at 181.073,195.606 h0.51 r180; Mechanical 1 "K" at 184.502,195.606 h0.51 r180
LED67_W5_62: Mechanical 1 "A" at 181.073,184.866 h0.51 r180; Mechanical 1 "K" at 184.502,184.866 h0.51 r180
LED67_W5_63: Mechanical 1 "A" at 181.073,174.126 h0.51 r180; Mechanical 1 "K" at 184.502,174.126 h0.51 r180
LED67_W5_64: Mechanical 1 "A" at 181.073,163.386 h0.51 r180; Mechanical 1 "K" at 184.502,163.386 h0.51 r180
LED67_W5_65: Mechanical 1 "A" at 181.073,152.646 h0.51 r180; Mechanical 1 "K" at 184.502,152.646 h0.51 r180
LED67_W5_70: Mechanical 1 "A" at 181.073,141.906 h0.51 r180; Mechanical 1 "K" at 184.502,141.906 h0.51 r180
LED67_W5_71: Mechanical 1 "A" at 181.073,131.166 h0.51 r180; Mechanical 1 "K" at 184.502,131.166 h0.51 r180
LED67_W5_72: Mechanical 1 "A" at 181.073,120.426 h0.51 r180; Mechanical 1 "K" at 184.502,120.426 h0.51 r180
LED67_W5_73: Mechanical 1 "A" at 181.073,109.686 h0.51 r180; Mechanical 1 "K" at 184.502,109.686 h0.51 r180
LED67_W5_74: Mechanical 1 "A" at 181.073,98.946 h0.51 r180; Mechanical 1 "K" at 184.502,98.946 h0.51 r180
LED67_W5_75: Mechanical 1 "A" at 181.073,88.206 h0.51 r180; Mechanical 1 "K" at 184.502,88.206 h0.51 r180
LED67_W5_80: Mechanical 1 "A" at 181.073,77.466 h0.51 r180; Mechanical 1 "K" at 184.502,77.466 h0.51 r180
LED67_W5_81: Mechanical 1 "A" at 181.073,66.726 h0.51 r180; Mechanical 1 "K" at 184.502,66.726 h0.51 r180
LED67_W5_82: Mechanical 1 "A" at 181.073,55.986 h0.51 r180; Mechanical 1 "K" at 184.502,55.986 h0.51 r180
LED67_W5_83: Mechanical 1 "A" at 181.073,45.246 h0.51 r180; Mechanical 1 "K" at 184.502,45.246 h0.51 r180
LED67_W5_84: Mechanical 1 "A" at 181.073,34.506 h0.51 r180; Mechanical 1 "K" at 184.502,34.506 h0.51 r180
LED67_W5_85: Mechanical 1 "A" at 181.073,23.766 h0.51 r180; Mechanical 1 "K" at 184.502,23.766 h0.51 r180
LED67_W5_90: Mechanical 1 "A" at 30.699,292.266 h0.51 r180; Mechanical 1 "K" at 34.128,292.266 h0.51 r180
LED67_W5_91: Mechanical 1 "A" at 19.958,281.526 h0.51 r180; Mechanical 1 "K" at 23.387,281.526 h0.51 r180
LED67_W5_92: Mechanical 1 "A" at 141.157,169.554 h0.51; Mechanical 1 "K" at 137.728,169.554 h0.51
LED67_W5_93: Mechanical 1 "A" at 148.85,174.126 h0.51 r180; Mechanical 1 "K" at 152.279,174.126 h0.51 r180
LED67_W5_94: Mechanical 1 "A" at 270.049,276.954 h0.51; Mechanical 1 "K" at 266.62,276.954 h0.51
LED67_W5_95: Mechanical 1 "A" at 259.308,287.694 h0.51; Mechanical 1 "K" at 255.879,287.694 h0.51
LED67_W5_A0: Mechanical 1 "A" at 259.308,-2.286 h0.51; Mechanical 1 "K" at 255.879,-2.286 h0.51
LED67_W5_A1: Mechanical 1 "A" at 270.049,8.454 h0.51; Mechanical 1 "K" at 266.62,8.454 h0.51
LED67_W5_A2: Mechanical 1 "A" at 148.85,120.426 h0.51 r180; Mechanical 1 "K" at 152.279,120.426 h0.51 r180
LED67_W5_A3: Mechanical 1 "A" at 141.157,115.854 h0.51; Mechanical 1 "K" at 137.728,115.854 h0.51
LED67_W5_A4: Mechanical 1 "A" at 19.958,13.026 h0.51 r180; Mechanical 1 "K" at 23.387,13.026 h0.51 r180
LED67_W5_A5: Mechanical 1 "A" at 30.699,2.286 h0.51 r180; Mechanical 1 "K" at 34.128,2.286 h0.51 r180
LED68_W5_10: Mechanical 1 "A" at 98.193,212.539 h0.51; Mechanical 1 "K" at 94.764,212.539 h0.51
LED68_W5_11: Mechanical 1 "A" at 98.193,223.279 h0.51; Mechanical 1 "K" at 94.764,223.279 h0.51
LED68_W5_12: Mechanical 1 "A" at 98.193,234.019 h0.51; Mechanical 1 "K" at 94.764,234.019 h0.51
LED68_W5_13: Mechanical 1 "A" at 98.193,244.759 h0.51; Mechanical 1 "K" at 94.764,244.759 h0.51
LED68_W5_14: Mechanical 1 "A" at 98.193,255.499 h0.51; Mechanical 1 "K" at 94.764,255.499 h0.51
LED68_W5_15: Mechanical 1 "A" at 98.193,266.239 h0.51; Mechanical 1 "K" at 94.764,266.239 h0.51
LED68_W5_20: Mechanical 1 "A" at 98.193,148.099 h0.51; Mechanical 1 "K" at 94.764,148.099 h0.51
LED68_W5_21: Mechanical 1 "A" at 98.193,158.839 h0.51; Mechanical 1 "K" at 94.764,158.839 h0.51
LED68_W5_22: Mechanical 1 "A" at 98.193,169.579 h0.51; Mechanical 1 "K" at 94.764,169.579 h0.51
LED68_W5_23: Mechanical 1 "A" at 98.193,180.319 h0.51; Mechanical 1 "K" at 94.764,180.319 h0.51
LED68_W5_24: Mechanical 1 "A" at 98.193,191.059 h0.51; Mechanical 1 "K" at 94.764,191.059 h0.51
LED68_W5_25: Mechanical 1 "A" at 98.193,201.799 h0.51; Mechanical 1 "K" at 94.764,201.799 h0.51
LED68_W5_30: Mechanical 1 "A" at 98.193,83.659 h0.51; Mechanical 1 "K" at 94.764,83.659 h0.51
LED68_W5_31: Mechanical 1 "A" at 98.193,94.399 h0.51; Mechanical 1 "K" at 94.764,94.399 h0.51
LED68_W5_32: Mechanical 1 "A" at 98.193,105.139 h0.51; Mechanical 1 "K" at 94.764,105.139 h0.51
LED68_W5_33: Mechanical 1 "A" at 98.193,115.879 h0.51; Mechanical 1 "K" at 94.764,115.879 h0.51
LED68_W5_34: Mechanical 1 "A" at 98.193,126.619 h0.51; Mechanical 1 "K" at 94.764,126.619 h0.51
LED68_W5_35: Mechanical 1 "A" at 98.193,137.359 h0.51; Mechanical 1 "K" at 94.764,137.359 h0.51
LED68_W5_40: Mechanical 1 "A" at 98.193,19.219 h0.51; Mechanical 1 "K" at 94.764,19.219 h0.51
LED68_W5_41: Mechanical 1 "A" at 98.193,29.959 h0.51; Mechanical 1 "K" at 94.764,29.959 h0.51
LED68_W5_42: Mechanical 1 "A" at 98.193,40.699 h0.51; Mechanical 1 "K" at 94.764,40.699 h0.51
LED68_W5_43: Mechanical 1 "A" at 98.193,51.439 h0.51; Mechanical 1 "K" at 94.764,51.439 h0.51
LED68_W5_44: Mechanical 1 "A" at 98.193,62.179 h0.51; Mechanical 1 "K" at 94.764,62.179 h0.51
LED68_W5_45: Mechanical 1 "A" at 98.193,72.919 h0.51; Mechanical 1 "K" at 94.764,72.919 h0.51
LED68_W5_50: Mechanical 1 "A" at 191.814,270.786 h0.51 r180; Mechanical 1 "K" at 195.243,270.786 h0.51 r180
LED68_W5_51: Mechanical 1 "A" at 191.814,260.046 h0.51 r180; Mechanical 1 "K" at 195.243,260.046 h0.51 r180
LED68_W5_52: Mechanical 1 "A" at 191.814,249.306 h0.51 r180; Mechanical 1 "K" at 195.243,249.306 h0.51 r180
LED68_W5_53: Mechanical 1 "A" at 191.814,238.566 h0.51 r180; Mechanical 1 "K" at 195.243,238.566 h0.51 r180
LED68_W5_54: Mechanical 1 "A" at 191.814,227.826 h0.51 r180; Mechanical 1 "K" at 195.243,227.826 h0.51 r180
LED68_W5_55: Mechanical 1 "A" at 191.814,217.086 h0.51 r180; Mechanical 1 "K" at 195.243,217.086 h0.51 r180
LED68_W5_60: Mechanical 1 "A" at 191.814,206.346 h0.51 r180; Mechanical 1 "K" at 195.243,206.346 h0.51 r180
LED68_W5_61: Mechanical 1 "A" at 191.814,195.606 h0.51 r180; Mechanical 1 "K" at 195.243,195.606 h0.51 r180
LED68_W5_62: Mechanical 1 "A" at 191.814,184.866 h0.51 r180; Mechanical 1 "K" at 195.243,184.866 h0.51 r180
LED68_W5_63: Mechanical 1 "A" at 191.814,174.126 h0.51 r180; Mechanical 1 "K" at 195.243,174.126 h0.51 r180
LED68_W5_64: Mechanical 1 "A" at 191.814,163.386 h0.51 r180; Mechanical 1 "K" at 195.243,163.386 h0.51 r180
LED68_W5_65: Mechanical 1 "A" at 191.814,152.646 h0.51 r180; Mechanical 1 "K" at 195.243,152.646 h0.51 r180
LED68_W5_70: Mechanical 1 "A" at 191.814,141.906 h0.51 r180; Mechanical 1 "K" at 195.243,141.906 h0.51 r180
LED68_W5_71: Mechanical 1 "A" at 191.814,131.166 h0.51 r180; Mechanical 1 "K" at 195.243,131.166 h0.51 r180
LED68_W5_72: Mechanical 1 "A" at 191.814,120.426 h0.51 r180; Mechanical 1 "K" at 195.243,120.426 h0.51 r180
LED68_W5_73: Mechanical 1 "A" at 191.814,109.686 h0.51 r180; Mechanical 1 "K" at 195.243,109.686 h0.51 r180
LED68_W5_74: Mechanical 1 "A" at 191.814,98.946 h0.51 r180; Mechanical 1 "K" at 195.243,98.946 h0.51 r180
LED68_W5_75: Mechanical 1 "A" at 191.814,88.206 h0.51 r180; Mechanical 1 "K" at 195.243,88.206 h0.51 r180
LED68_W5_80: Mechanical 1 "A" at 191.814,77.466 h0.51 r180; Mechanical 1 "K" at 195.243,77.466 h0.51 r180
LED68_W5_81: Mechanical 1 "A" at 191.814,66.726 h0.51 r180; Mechanical 1 "K" at 195.243,66.726 h0.51 r180
LED68_W5_82: Mechanical 1 "A" at 191.814,55.986 h0.51 r180; Mechanical 1 "K" at 195.243,55.986 h0.51 r180
LED68_W5_83: Mechanical 1 "A" at 191.814,45.246 h0.51 r180; Mechanical 1 "K" at 195.243,45.246 h0.51 r180
LED68_W5_84: Mechanical 1 "A" at 191.814,34.506 h0.51 r180; Mechanical 1 "K" at 195.243,34.506 h0.51 r180
LED68_W5_85: Mechanical 1 "A" at 191.814,23.766 h0.51 r180; Mechanical 1 "K" at 195.243,23.766 h0.51 r180
LED68_W5_90: Mechanical 1 "A" at 41.44,292.266 h0.51 r180; Mechanical 1 "K" at 44.869,292.266 h0.51 r180
LED68_W5_91: Mechanical 1 "A" at 30.699,281.526 h0.51 r180; Mechanical 1 "K" at 34.128,281.526 h0.51 r180
LED68_W5_92: Mechanical 1 "A" at 141.157,180.294 h0.51; Mechanical 1 "K" at 137.728,180.294 h0.51
LED68_W5_93: Mechanical 1 "A" at 148.85,184.866 h0.51 r180; Mechanical 1 "K" at 152.279,184.866 h0.51 r180
LED68_W5_94: Mechanical 1 "A" at 259.308,276.954 h0.51; Mechanical 1 "K" at 255.879,276.954 h0.51
LED68_W5_95: Mechanical 1 "A" at 248.567,287.694 h0.51; Mechanical 1 "K" at 245.138,287.694 h0.51
LED68_W5_A0: Mechanical 1 "A" at 248.567,-2.286 h0.51; Mechanical 1 "K" at 245.138,-2.286 h0.51
LED68_W5_A1: Mechanical 1 "A" at 259.308,8.454 h0.51; Mechanical 1 "K" at 255.879,8.454 h0.51
LED68_W5_A2: Mechanical 1 "A" at 148.85,109.686 h0.51 r180; Mechanical 1 "K" at 152.279,109.686 h0.51 r180
LED68_W5_A3: Mechanical 1 "A" at 141.157,105.114 h0.51; Mechanical 1 "K" at 137.728,105.114 h0.51
LED68_W5_A4: Mechanical 1 "A" at 30.699,13.026 h0.51 r180; Mechanical 1 "K" at 34.128,13.026 h0.51 r180
LED68_W5_A5: Mechanical 1 "A" at 41.44,2.286 h0.51 r180; Mechanical 1 "K" at 44.869,2.286 h0.51 r180
LED69_W5_10: Mechanical 1 "A" at 87.452,212.539 h0.51; Mechanical 1 "K" at 84.023,212.539 h0.51
LED69_W5_11: Mechanical 1 "A" at 87.452,223.279 h0.51; Mechanical 1 "K" at 84.023,223.279 h0.51
LED69_W5_12: Mechanical 1 "A" at 87.452,234.019 h0.51; Mechanical 1 "K" at 84.023,234.019 h0.51
LED69_W5_13: Mechanical 1 "A" at 87.452,244.759 h0.51; Mechanical 1 "K" at 84.023,244.759 h0.51
LED69_W5_14: Mechanical 1 "A" at 87.452,255.499 h0.51; Mechanical 1 "K" at 84.023,255.499 h0.51
LED69_W5_15: Mechanical 1 "A" at 87.452,266.239 h0.51; Mechanical 1 "K" at 84.023,266.239 h0.51
LED69_W5_20: Mechanical 1 "A" at 87.452,148.099 h0.51; Mechanical 1 "K" at 84.023,148.099 h0.51
LED69_W5_21: Mechanical 1 "A" at 87.452,158.839 h0.51; Mechanical 1 "K" at 84.023,158.839 h0.51
LED69_W5_22: Mechanical 1 "A" at 87.452,169.579 h0.51; Mechanical 1 "K" at 84.023,169.579 h0.51
LED69_W5_23: Mechanical 1 "A" at 87.452,180.319 h0.51; Mechanical 1 "K" at 84.023,180.319 h0.51
LED69_W5_24: Mechanical 1 "A" at 87.452,191.059 h0.51; Mechanical 1 "K" at 84.023,191.059 h0.51
LED69_W5_25: Mechanical 1 "A" at 87.452,201.799 h0.51; Mechanical 1 "K" at 84.023,201.799 h0.51
LED69_W5_30: Mechanical 1 "A" at 87.452,83.659 h0.51; Mechanical 1 "K" at 84.023,83.659 h0.51
LED69_W5_31: Mechanical 1 "A" at 87.452,94.399 h0.51; Mechanical 1 "K" at 84.023,94.399 h0.51
LED69_W5_32: Mechanical 1 "A" at 87.452,105.139 h0.51; Mechanical 1 "K" at 84.023,105.139 h0.51
LED69_W5_33: Mechanical 1 "A" at 87.452,115.879 h0.51; Mechanical 1 "K" at 84.023,115.879 h0.51
LED69_W5_34: Mechanical 1 "A" at 87.452,126.619 h0.51; Mechanical 1 "K" at 84.023,126.619 h0.51
LED69_W5_35: Mechanical 1 "A" at 87.452,137.359 h0.51; Mechanical 1 "K" at 84.023,137.359 h0.51
LED69_W5_40: Mechanical 1 "A" at 87.452,19.219 h0.51; Mechanical 1 "K" at 84.023,19.219 h0.51
LED69_W5_41: Mechanical 1 "A" at 87.452,29.959 h0.51; Mechanical 1 "K" at 84.023,29.959 h0.51
LED69_W5_42: Mechanical 1 "A" at 87.452,40.699 h0.51; Mechanical 1 "K" at 84.023,40.699 h0.51
LED69_W5_43: Mechanical 1 "A" at 87.452,51.439 h0.51; Mechanical 1 "K" at 84.023,51.439 h0.51
LED69_W5_44: Mechanical 1 "A" at 87.452,62.179 h0.51; Mechanical 1 "K" at 84.023,62.179 h0.51
LED69_W5_45: Mechanical 1 "A" at 87.452,72.919 h0.51; Mechanical 1 "K" at 84.023,72.919 h0.51
LED69_W5_50: Mechanical 1 "A" at 202.555,270.786 h0.51 r180; Mechanical 1 "K" at 205.984,270.786 h0.51 r180
LED69_W5_51: Mechanical 1 "A" at 202.555,260.046 h0.51 r180; Mechanical 1 "K" at 205.984,260.046 h0.51 r180
LED69_W5_52: Mechanical 1 "A" at 202.555,249.306 h0.51 r180; Mechanical 1 "K" at 205.984,249.306 h0.51 r180
LED69_W5_53: Mechanical 1 "A" at 202.555,238.566 h0.51 r180; Mechanical 1 "K" at 205.984,238.566 h0.51 r180
LED69_W5_54: Mechanical 1 "A" at 202.555,227.826 h0.51 r180; Mechanical 1 "K" at 205.984,227.826 h0.51 r180
LED69_W5_55: Mechanical 1 "A" at 202.555,217.086 h0.51 r180; Mechanical 1 "K" at 205.984,217.086 h0.51 r180
LED69_W5_60: Mechanical 1 "A" at 202.555,206.346 h0.51 r180; Mechanical 1 "K" at 205.984,206.346 h0.51 r180
LED69_W5_61: Mechanical 1 "A" at 202.555,195.606 h0.51 r180; Mechanical 1 "K" at 205.984,195.606 h0.51 r180
LED69_W5_62: Mechanical 1 "A" at 202.555,184.866 h0.51 r180; Mechanical 1 "K" at 205.984,184.866 h0.51 r180
LED69_W5_63: Mechanical 1 "A" at 202.555,174.126 h0.51 r180; Mechanical 1 "K" at 205.984,174.126 h0.51 r180
LED69_W5_64: Mechanical 1 "A" at 202.555,163.386 h0.51 r180; Mechanical 1 "K" at 205.984,163.386 h0.51 r180
LED69_W5_65: Mechanical 1 "A" at 202.555,152.646 h0.51 r180; Mechanical 1 "K" at 205.984,152.646 h0.51 r180
LED69_W5_70: Mechanical 1 "A" at 202.555,141.906 h0.51 r180; Mechanical 1 "K" at 205.984,141.906 h0.51 r180
LED69_W5_71: Mechanical 1 "A" at 202.555,131.166 h0.51 r180; Mechanical 1 "K" at 205.984,131.166 h0.51 r180
LED69_W5_72: Mechanical 1 "A" at 202.555,120.426 h0.51 r180; Mechanical 1 "K" at 205.984,120.426 h0.51 r180
LED69_W5_73: Mechanical 1 "A" at 202.555,109.686 h0.51 r180; Mechanical 1 "K" at 205.984,109.686 h0.51 r180
LED69_W5_74: Mechanical 1 "A" at 202.555,98.946 h0.51 r180; Mechanical 1 "K" at 205.984,98.946 h0.51 r180
LED69_W5_75: Mechanical 1 "A" at 202.555,88.206 h0.51 r180; Mechanical 1 "K" at 205.984,88.206 h0.51 r180
LED69_W5_80: Mechanical 1 "A" at 202.555,77.466 h0.51 r180; Mechanical 1 "K" at 205.984,77.466 h0.51 r180
LED69_W5_81: Mechanical 1 "A" at 202.555,66.726 h0.51 r180; Mechanical 1 "K" at 205.984,66.726 h0.51 r180
LED69_W5_82: Mechanical 1 "A" at 202.555,55.986 h0.51 r180; Mechanical 1 "K" at 205.984,55.986 h0.51 r180
LED69_W5_83: Mechanical 1 "A" at 202.555,45.246 h0.51 r180; Mechanical 1 "K" at 205.984,45.246 h0.51 r180
LED69_W5_84: Mechanical 1 "A" at 202.555,34.506 h0.51 r180; Mechanical 1 "K" at 205.984,34.506 h0.51 r180
LED69_W5_85: Mechanical 1 "A" at 202.555,23.766 h0.51 r180; Mechanical 1 "K" at 205.984,23.766 h0.51 r180
LED69_W5_90: Mechanical 1 "A" at 52.181,292.266 h0.51 r180; Mechanical 1 "K" at 55.61,292.266 h0.51 r180
LED69_W5_91: Mechanical 1 "A" at 41.44,281.526 h0.51 r180; Mechanical 1 "K" at 44.869,281.526 h0.51 r180
LED69_W5_92: Mechanical 1 "A" at 141.157,191.034 h0.51; Mechanical 1 "K" at 137.728,191.034 h0.51
LED69_W5_93: Mechanical 1 "A" at 148.85,195.606 h0.51 r180; Mechanical 1 "K" at 152.279,195.606 h0.51 r180
LED69_W5_94: Mechanical 1 "A" at 248.567,276.954 h0.51; Mechanical 1 "K" at 245.138,276.954 h0.51
LED69_W5_95: Mechanical 1 "A" at 237.826,287.694 h0.51; Mechanical 1 "K" at 234.397,287.694 h0.51
LED69_W5_A0: Mechanical 1 "A" at 237.826,-2.286 h0.51; Mechanical 1 "K" at 234.397,-2.286 h0.51
LED69_W5_A1: Mechanical 1 "A" at 248.567,8.454 h0.51; Mechanical 1 "K" at 245.138,8.454 h0.51
LED69_W5_A2: Mechanical 1 "A" at 148.85,98.946 h0.51 r180; Mechanical 1 "K" at 152.279,98.946 h0.51 r180
LED69_W5_A3: Mechanical 1 "A" at 141.157,94.374 h0.51; Mechanical 1 "K" at 137.728,94.374 h0.51
LED69_W5_A4: Mechanical 1 "A" at 41.44,13.026 h0.51 r180; Mechanical 1 "K" at 44.869,13.026 h0.51 r180
LED69_W5_A5: Mechanical 1 "A" at 52.181,2.286 h0.51 r180; Mechanical 1 "K" at 55.61,2.286 h0.51 r180
LED70_W5_10: Mechanical 1 "A" at 76.711,212.539 h0.51; Mechanical 1 "K" at 73.282,212.539 h0.51
LED70_W5_11: Mechanical 1 "A" at 76.711,223.279 h0.51; Mechanical 1 "K" at 73.282,223.279 h0.51
LED70_W5_12: Mechanical 1 "A" at 76.711,234.019 h0.51; Mechanical 1 "K" at 73.282,234.019 h0.51
LED70_W5_13: Mechanical 1 "A" at 76.711,244.759 h0.51; Mechanical 1 "K" at 73.282,244.759 h0.51
LED70_W5_14: Mechanical 1 "A" at 76.711,255.499 h0.51; Mechanical 1 "K" at 73.282,255.499 h0.51
LED70_W5_15: Mechanical 1 "A" at 76.711,266.239 h0.51; Mechanical 1 "K" at 73.282,266.239 h0.51
LED70_W5_20: Mechanical 1 "A" at 76.711,148.099 h0.51; Mechanical 1 "K" at 73.282,148.099 h0.51
LED70_W5_21: Mechanical 1 "A" at 76.711,158.839 h0.51; Mechanical 1 "K" at 73.282,158.839 h0.51
LED70_W5_22: Mechanical 1 "A" at 76.711,169.579 h0.51; Mechanical 1 "K" at 73.282,169.579 h0.51
LED70_W5_23: Mechanical 1 "A" at 76.711,180.319 h0.51; Mechanical 1 "K" at 73.282,180.319 h0.51
LED70_W5_24: Mechanical 1 "A" at 76.711,191.059 h0.51; Mechanical 1 "K" at 73.282,191.059 h0.51
LED70_W5_25: Mechanical 1 "A" at 76.711,201.799 h0.51; Mechanical 1 "K" at 73.282,201.799 h0.51
LED70_W5_30: Mechanical 1 "A" at 76.711,83.659 h0.51; Mechanical 1 "K" at 73.282,83.659 h0.51
LED70_W5_31: Mechanical 1 "A" at 76.711,94.399 h0.51; Mechanical 1 "K" at 73.282,94.399 h0.51
LED70_W5_32: Mechanical 1 "A" at 76.711,105.139 h0.51; Mechanical 1 "K" at 73.282,105.139 h0.51
LED70_W5_33: Mechanical 1 "A" at 76.711,115.879 h0.51; Mechanical 1 "K" at 73.282,115.879 h0.51
LED70_W5_34: Mechanical 1 "A" at 76.711,126.619 h0.51; Mechanical 1 "K" at 73.282,126.619 h0.51
LED70_W5_35: Mechanical 1 "A" at 76.711,137.359 h0.51; Mechanical 1 "K" at 73.282,137.359 h0.51
LED70_W5_40: Mechanical 1 "A" at 76.711,19.219 h0.51; Mechanical 1 "K" at 73.282,19.219 h0.51
LED70_W5_41: Mechanical 1 "A" at 76.711,29.959 h0.51; Mechanical 1 "K" at 73.282,29.959 h0.51
LED70_W5_42: Mechanical 1 "A" at 76.711,40.699 h0.51; Mechanical 1 "K" at 73.282,40.699 h0.51